# KiCad board Hak4Kidz2019.kicad_pcb
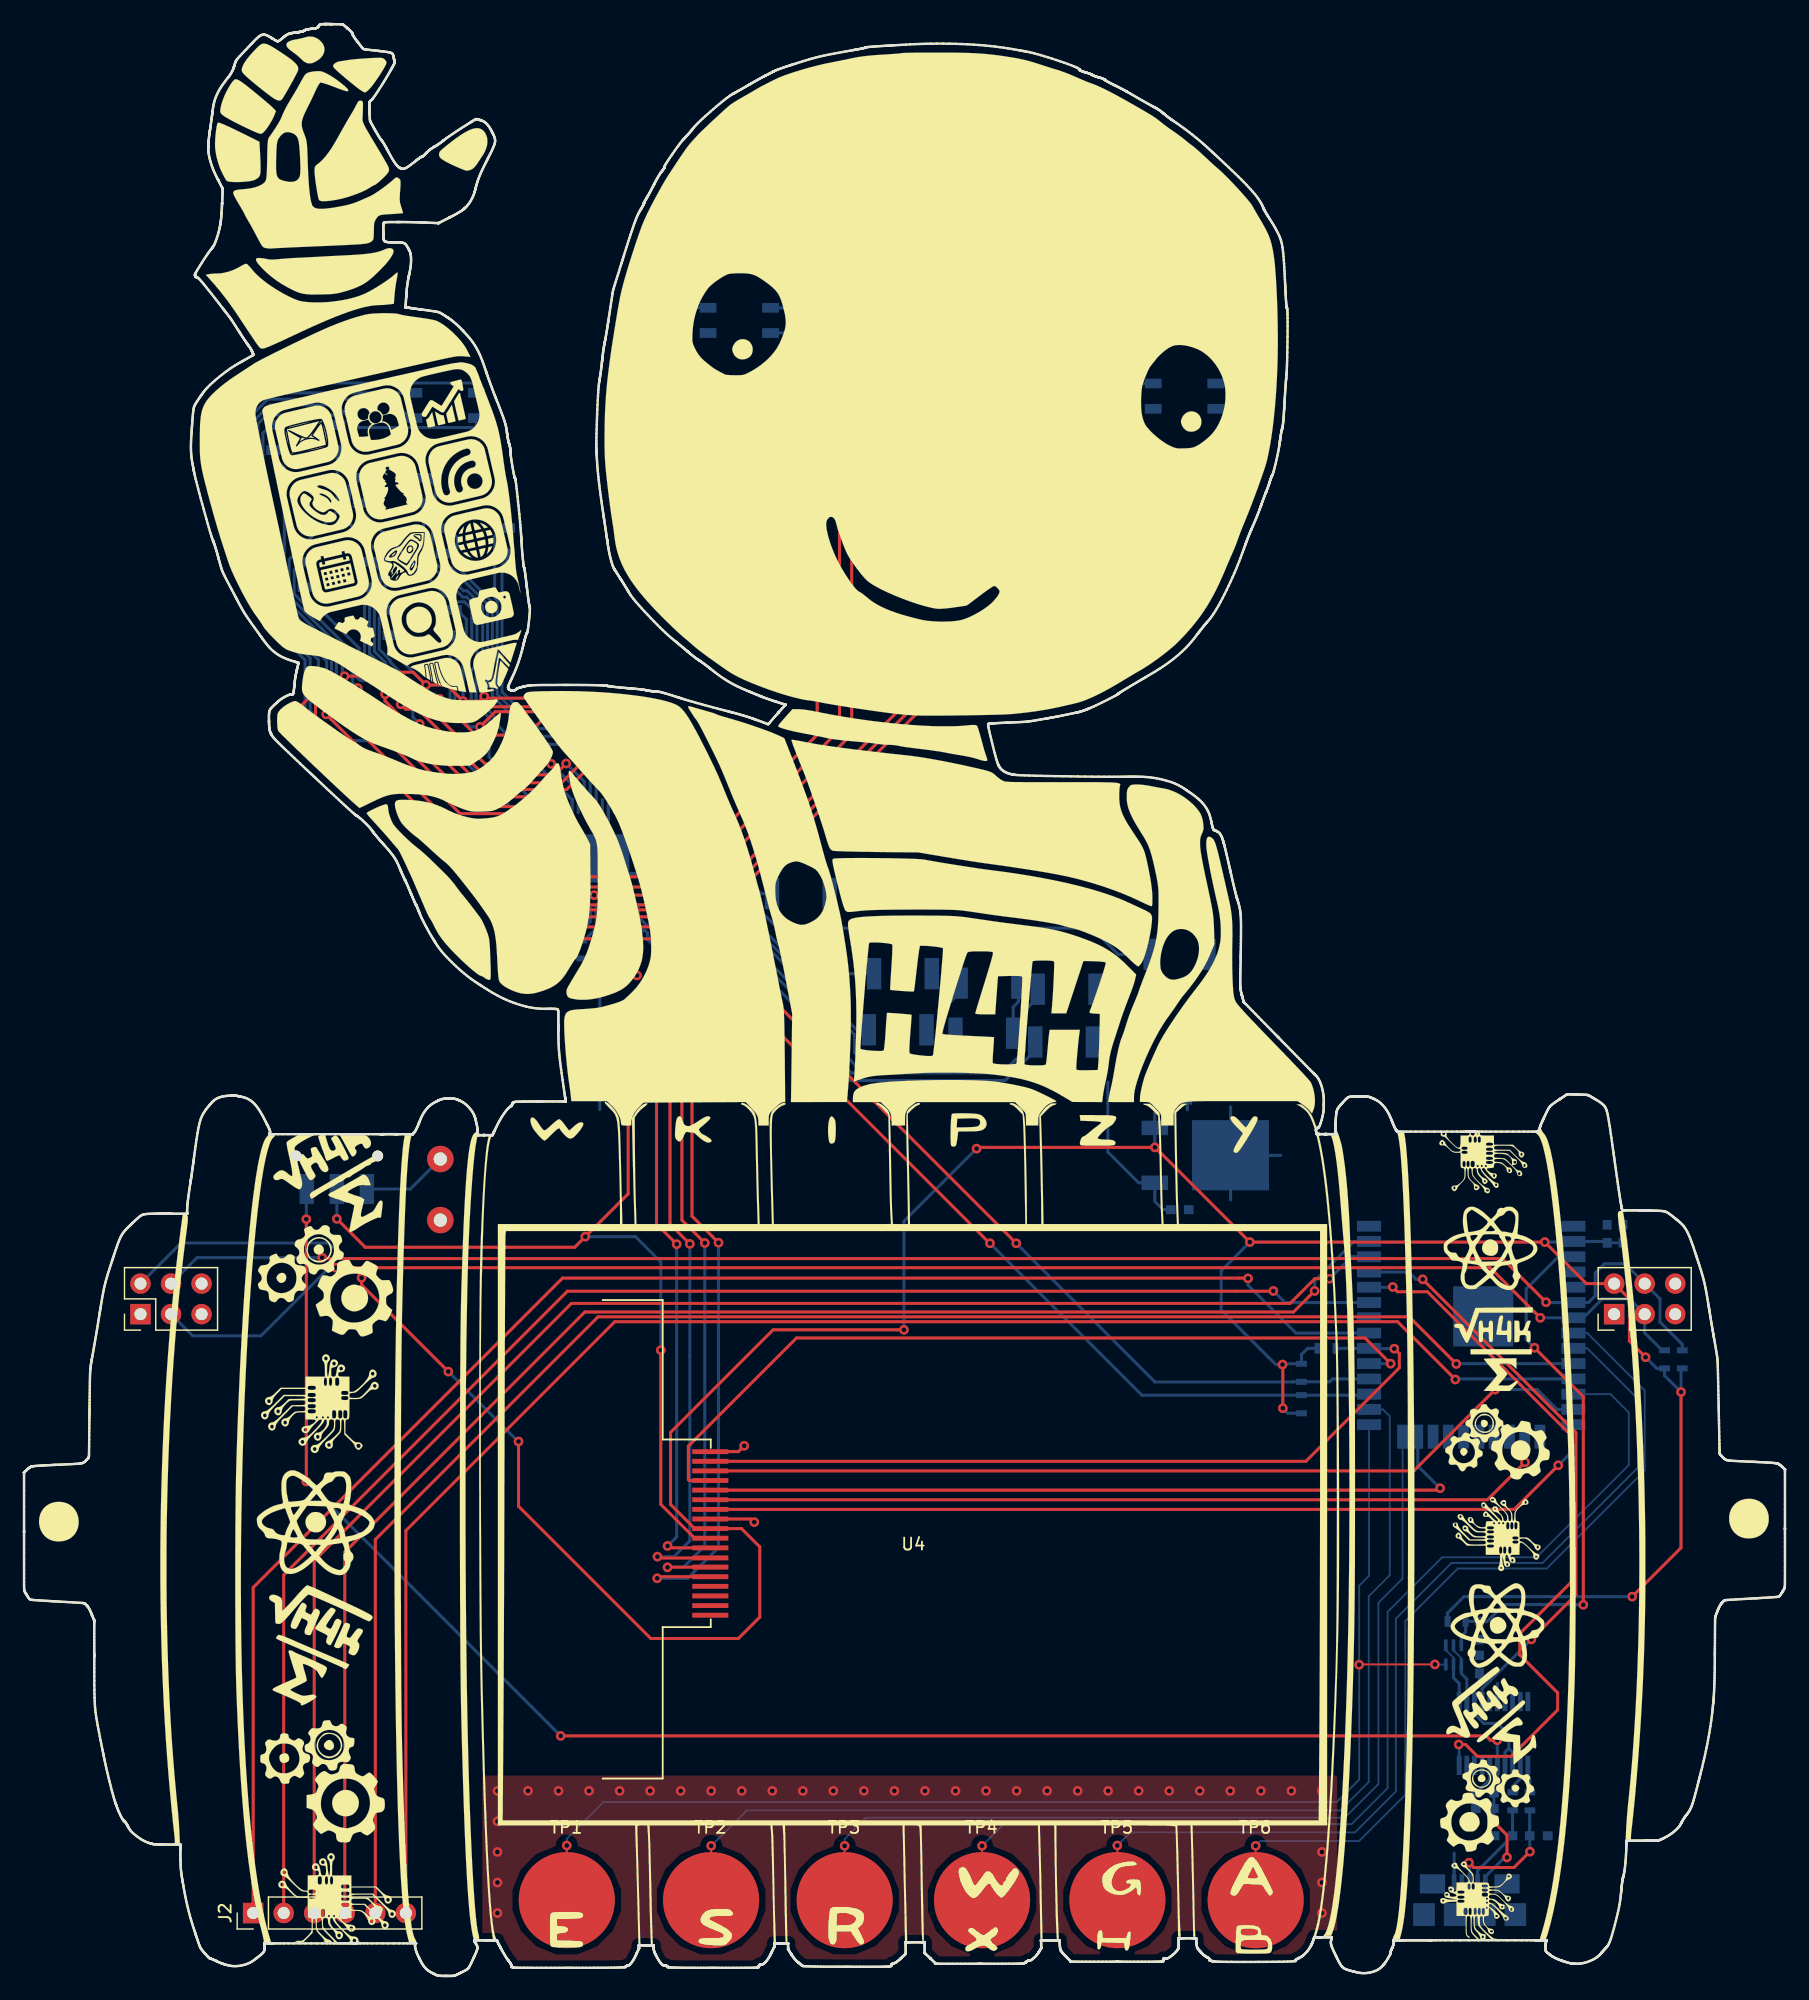
[diagram p0: board, top side]
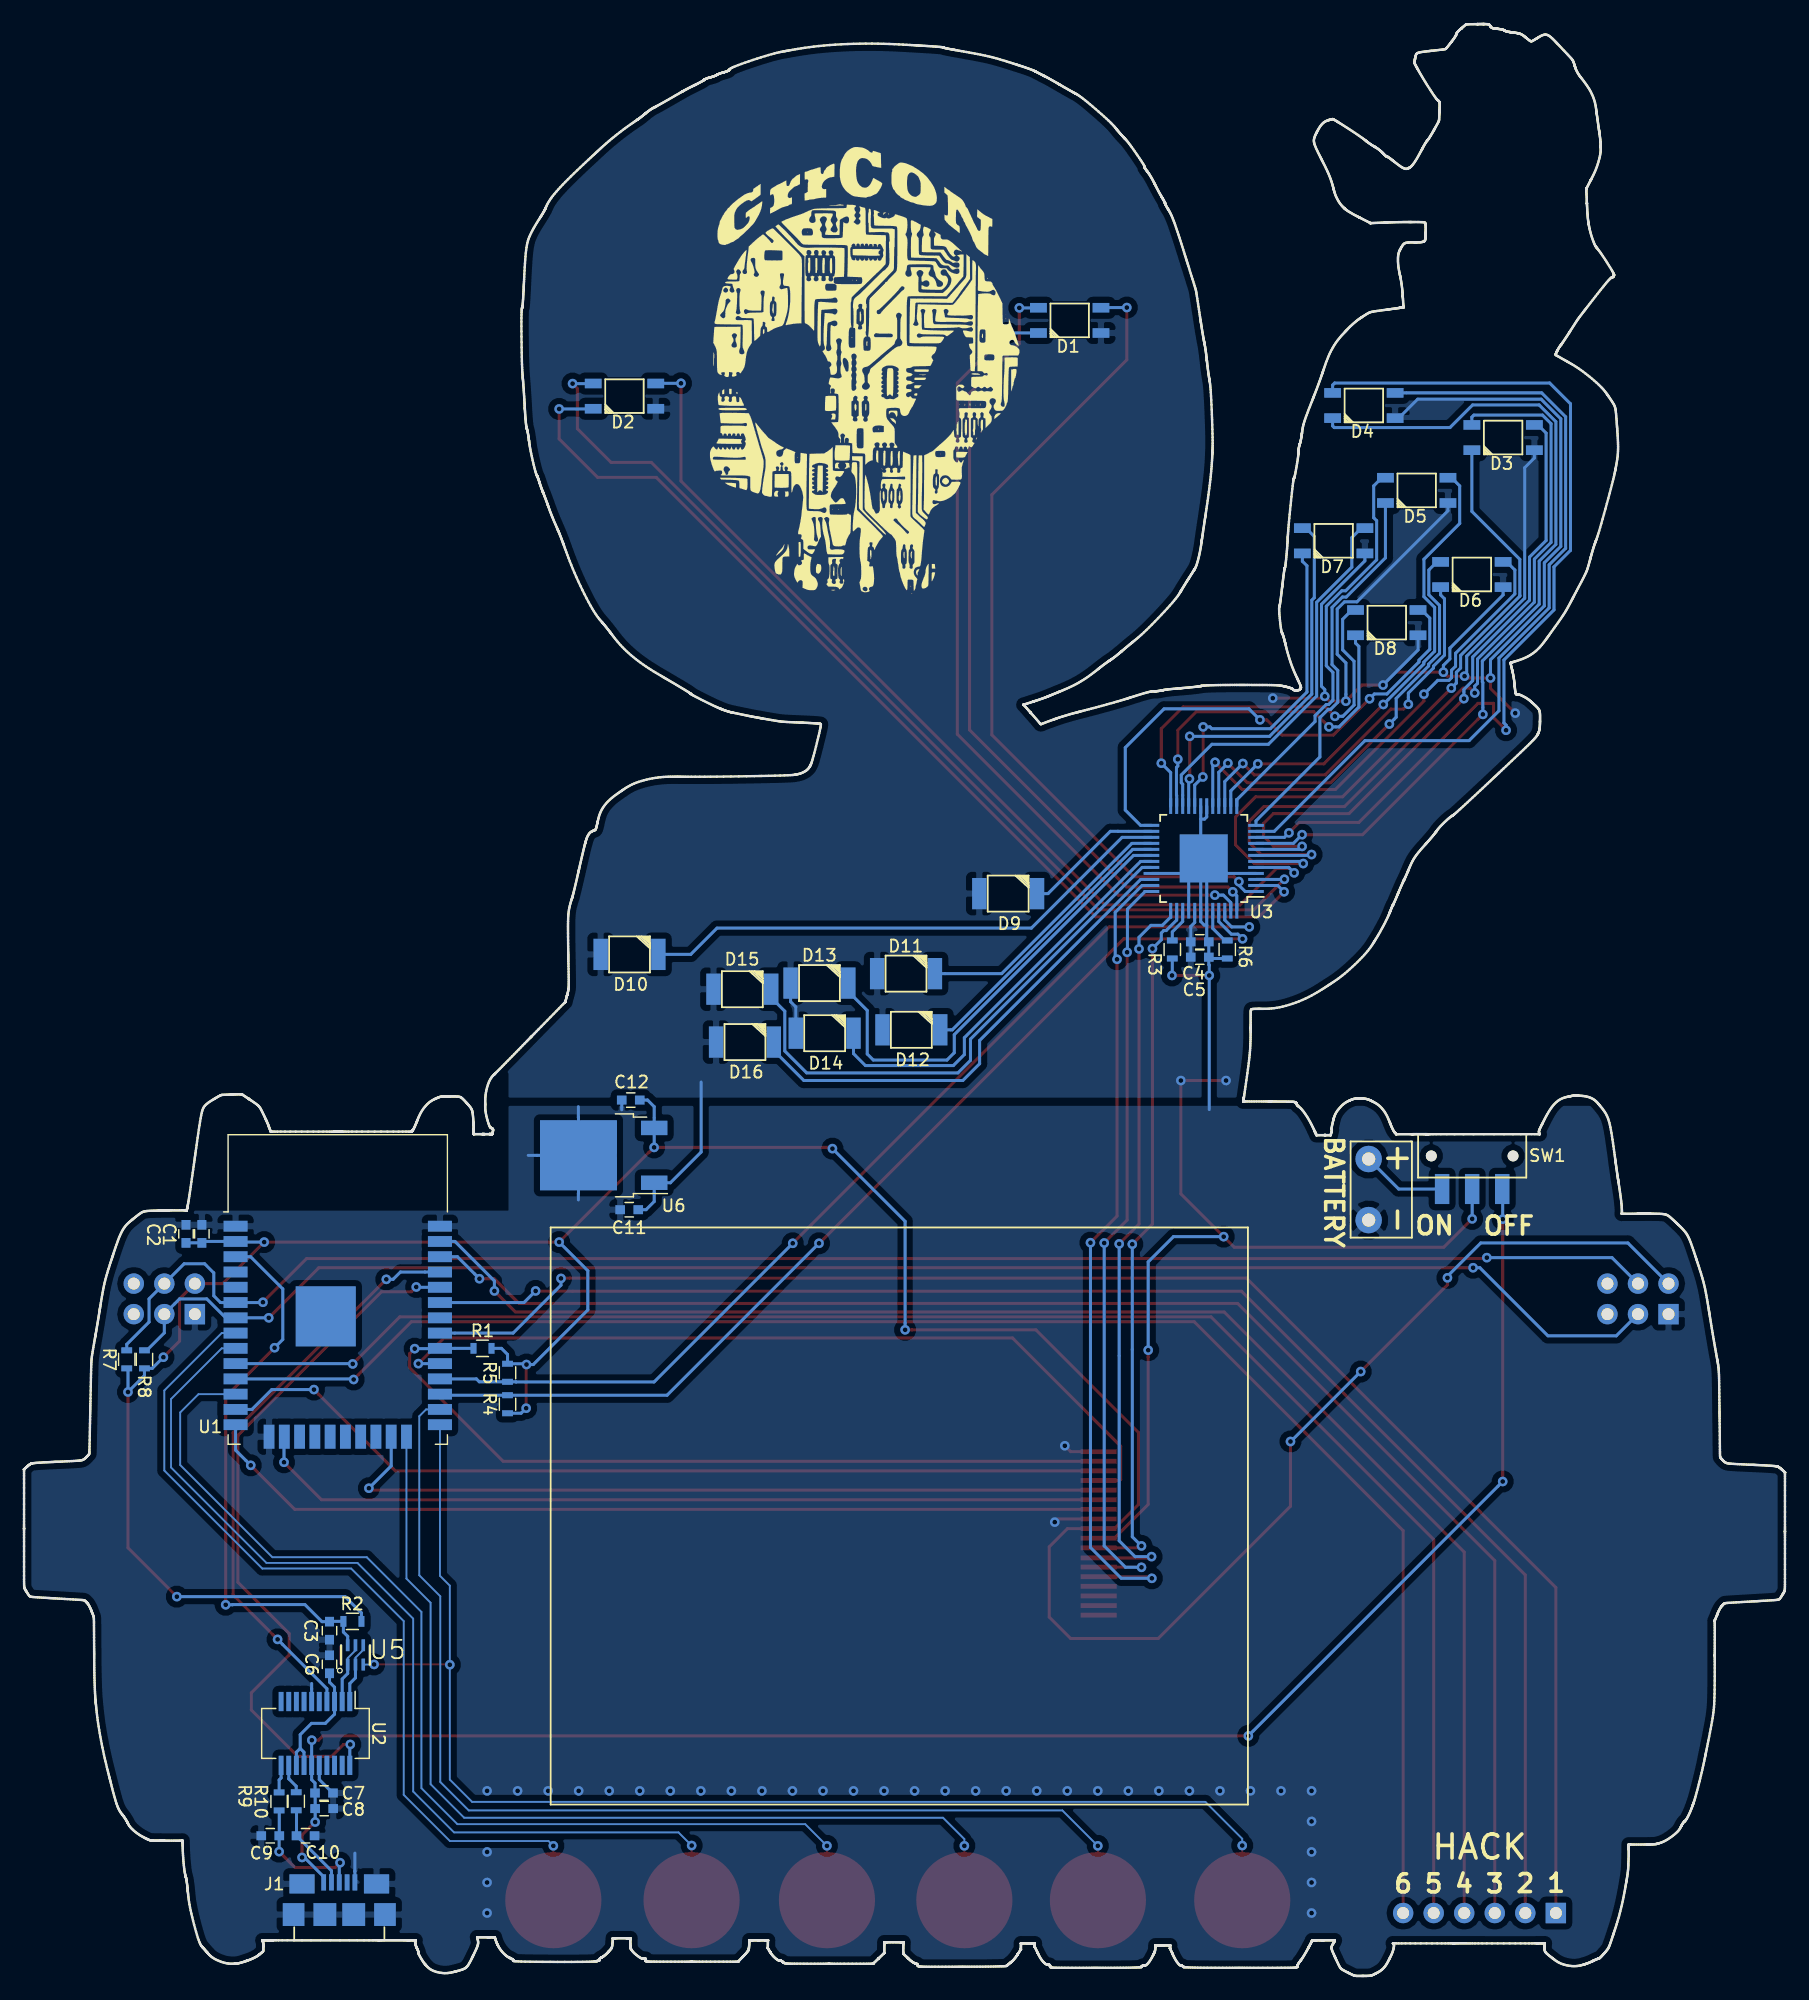
[diagram p1: board, bottom side, seen from below]

Outline 146.47 x 162.34 mm; copper layers: Top, Bottom. Coordinates in mm from the lower left corner of the outline.

## Placement (name value [footprint] x y rotation side)
BT1  Battery  [Battery-WireConn]  34.63 65.41 270 bottom
C1  0.1uF  [C_0603]  131.68 61.72 90 bottom
C2  10uF  [C_0603]  133 61.72 90 bottom
C3  0.1uF  [C_0603]  121.07 28.72 270 bottom
C4  1uF  [C_0603]  48.68 84.74 180 bottom
C5  0.1uF  [C_0603]  48.68 86.01 180 bottom
C6  0.1uF  [C_0603]  121.07 25.92 90 bottom
C7  0.1uF  [C_0603]  121.52 15.22 180 bottom
C8  4.7uF  [C_0603]  121.51 13.92 180 bottom
C9  47pF  [C_0603]  125.99 11.66 0 bottom
C10  47pF  [C_0603]  123.06 11.66 180 bottom
C11  2.2uF  [C_0603]  96.14 63.73 0 bottom
C12  2.2uF  [C_0603]  96.01 72.85 0 bottom
D1  LED_RABG  [XZMDKCBDDG45S-9]  59.5 137.69 0 bottom
D2  LED_RABG  [XZMDKCBDDG45S-9]  96.53 131.4 0 bottom
D3  LED_RABG  [XZMDKCBDDG45S-9]  23.44 127.95 0 bottom
D4  LED_RABG  [XZMDKCBDDG45S-9]  35.03 130.62 0 bottom
D5  LED_RABG  [XZMDKCBDDG45S-9]  30.63 123.56 0 bottom
D6  LED_RABG  [XZMDKCBDDG45S-9]  26.04 116.56 0 bottom
D7  LED_RABG  [XZMDKCBDDG45S-9]  37.54 119.36 0 bottom
D8  LED_RABG  [XZMDKCBDDG45S-9]  33.12 112.56 0 bottom
D9  LED_RED  [LED-SMD-BottomEntry-OSRAM-LS-T776]  64.61 90.02 180 bottom
D10  LED_RED  [LED-SMD-BottomEntry-OSRAM-LS-T776]  96.11 84.96 180 bottom
D11  LED_WHT  [LED-SMD-BottomEntry-OSRAM-LS-T776]  73.11 83.36 180 bottom
D12  LED_WHT  [LED-SMD-BottomEntry-OSRAM-LS-T776]  72.67 78.69 180 bottom
D13  LED_WHT  [LED-SMD-BottomEntry-OSRAM-LS-T776]  80.31 82.58 180 bottom
D14  LED_WHT  [LED-SMD-BottomEntry-OSRAM-LS-T776]  79.88 78.41 180 bottom
D15  LED_WHT  [LED-SMD-BottomEntry-OSRAM-LS-T776]  86.72 82.07 180 bottom
D16  LED_WHT  [LED-SMD-BottomEntry-OSRAM-LS-T776]  86.51 77.67 180 bottom
G***  LOGO  [SilkscreenFront]  73.49 83.08 0 top
G***#2  LOGO  [SoldermaskFront]  61.55 81.56 0 top
G***#3  LOGO  [SilkscreenBack]  73.64 128.22 180 bottom
J1  USB_B_Micro  [10118192-0002LF]  120.25 5.11 180 bottom
J2  Conn_01x06_Female  [Pin_Header_Straight_1x06_Pitch2.54mm]  19.06 5.23 90 top
J3  Conn_02x03_Odd_Even  [Pin_Header_Straight_2x03_Pitch2.54mm]  132.27 55.04 90 top
J4  Conn_02x03_Odd_Even  [Pin_Header_Straight_2x03_Pitch2.54mm]  9.69 55.04 90 top
R1  10k  [R_0603]  108.34 52.2 180 bottom
R2  10k  [R_0603]  119.16 29.49 0 bottom
R3  100k  [R_0603]  50.96 85.37 270 bottom
R4  4.7k  [R_0603]  106.26 47.55 90 bottom
R5  4.7k  [R_0603]  106.26 50.17 270 bottom
R6  3.3k  [R_0603]  46.39 85.37 270 bottom
R7  4.7k  [R_0603]  137.93 51.28 90 bottom
R8  4.7k  [R_0603]  136.46 51.28 90 bottom
R9  27  [R_0603]  123.83 14.53 90 bottom
R10  27  [R_0603]  125.26 14.52 270 bottom
REF**  -  [Outline]  72.45 77.95 0 top
REF**#2  Battery 3xAA Outline  [Battery_3xAA_Outline]  73.67 38.25 0 bottom
SW1  SW_SPDT  [JS102011SAQN]  26.02 68.2 0 bottom
TP1  TOUCHPAD  [Touchpad_Round_8mm]  45.14 6.3 0 top
TP2  TOUCHPAD  [Touchpad_Round_8mm]  57.15 6.3 0 top
TP3  TOUCHPAD  [Touchpad_Round_8mm]  68.26 6.3 0 top
TP4  TOUCHPAD  [Touchpad_Round_8mm]  79.69 6.3 0 top
TP5  TOUCHPAD  [Touchpad_Round_8mm]  90.95 6.3 0 top
TP6  TOUCHPAD  [Touchpad_Round_8mm]  102.45 6.3 0 top
U1  -  [ESP32-WROOM-32]  120.38 54.1 180 bottom
U2  FT231XS  [QSOP-20_3.9x8.7mm_Pitch0.635mm]  122.23 20.17 270 bottom
U3  IS31FL3236  [TQFP-48_7x7mm_Pitch0.5mm]  48.35 92.95 0 bottom
U4  ILI9341_28_18PINS  [2.8LCD_ILI9341_18Pin]  73.92 37.47 0 top
U5  UMH3NFHA  [SOT363]  118.91 26.7 180 bottom
U6  LF33_TO252  [TO-252-2]  98.26 68.25 0 bottom

## Footprints (pads in the part's own frame, mm; a bottom-side part is the same pattern mirrored in y, then rotated)
2.8LCD_ILI9341_18Pin
  rect 3x0.4 smd: 1(-16.84,6.14) 2(-16.84,5.34) 3(-16.84,4.54) 4(-16.84,3.74) 5(-16.84,2.94) 6(-16.84,2.14) 7(-16.84,1.34) 8(-16.84,0.54) 9(-16.84,-0.26) 10(-16.84,-1.06) 11(-16.84,-1.86) 12(-16.84,-2.7) 13(-16.84,-3.46) 14(-16.84,-4.26) 15(-16.84,-5.06) 16(-16.84,-5.86) 17(-16.84,-6.66) 18(-16.84,-7.46)
10118192-0002LF
  rect 0.4x1.35 smd: 1(-1.3,2.675) 2(-0.65,2.675) 3(0,2.675) 4(0.65,2.675) 5(1.3,2.675)
  rect 1.8x1.9 smd: 6(-3.8,0) 6(3.8,0)
  rect 2.1x1.6 smd: 6(-3.1,2.55) 6(3.1,2.55)
  rect 1.9x1.9 smd: 6(-1.2,0) 6(1.2,0)
Battery-WireConn
  round 2.2 hole 1.1: 1(-2.54,0) 2(2.54,0)
C_0603
  rect 0.8x0.75 smd: 1(-0.75,0) 2(0.75,0)
ESP32-WROOM-32
  rect 2x0.9 smd: 1(-8.5,8.255) 2(-8.5,6.985) 3(-8.5,5.715) 4(-8.5,4.445) 5(-8.5,3.175) 6(-8.5,1.905) 7(-8.5,0.635) 8(-8.5,-0.635) 9(-8.5,-1.905) 10(-8.5,-3.175) 11(-8.5,-4.445) 12(-8.5,-5.715) 13(-8.5,-6.985) 14(-8.5,-8.255) 25(8.5,-8.255) 26(8.5,-6.985) 27(8.5,-5.715) 28(8.5,-4.445) 29(8.5,-3.175) 30(8.5,-1.905) 31(8.5,-0.635) 32(8.5,0.635) 33(8.5,1.905) 34(8.5,3.175) 35(8.5,4.445) 36(8.5,5.715) 37(8.5,6.985) 38(8.5,8.255)
  rect 0.9x2 smd: 15(-5.715,-9.255) 16(-4.445,-9.255) 17(-3.175,-9.255) 18(-1.905,-9.255) 19(-0.635,-9.255) 20(0.635,-9.255) 21(1.905,-9.255) 22(3.175,-9.255) 23(4.445,-9.255) 24(5.715,-9.255)
  rect 5x5 smd: 39(-1,0.755)
JS102011SAQN
  round 0.9 hole 0.9 unplated: (-3.4,0) (3.4,0)
  rect 1.2x2.5 smd: 1(-2.5,2.75) 2(0,2.75) 3(2.5,2.75)
LED-SMD-BottomEntry-OSRAM-LS-T776
  round 2.8 smd: (0,0)
  rect 1.2x2.6 smd: 1(2.4,0) 2(-2.4,0)
Pin_Header_Straight_1x06_Pitch2.54mm
  rect 1.7x1.7 hole 1: 1(0,0)
  oval 1.7x1.7 hole 1: 2(0,-2.54) 3(0,-5.08) 4(0,-7.62) 5(0,-10.16) 6(0,-12.7)
Pin_Header_Straight_2x03_Pitch2.54mm
  rect 1.7x1.7 hole 1: 1(0,0)
  oval 1.7x1.7 hole 1: 2(2.54,0) 3(0,-2.54) 4(2.54,-2.54) 5(0,-5.08) 6(2.54,-5.08)
QSOP-20_3.9x8.7mm_Pitch0.635mm
  rect 1.6x0.41 smd: 1(-2.654,2.857) 2(-2.654,2.223) 3(-2.654,1.587) 4(-2.654,0.953) 5(-2.654,0.318) 6(-2.654,-0.318) 7(-2.654,-0.953) 8(-2.654,-1.587) 9(-2.654,-2.223) 10(-2.654,-2.857) 11(2.654,-2.857) 12(2.654,-2.223) 13(2.654,-1.587) 14(2.654,-0.953) 15(2.654,-0.318) 16(2.654,0.318) 17(2.654,0.953) 18(2.654,1.587) 19(2.654,2.223) 20(2.654,2.857)
R_0603
  rect 0.5x0.9 smd: 1(-0.75,0) 2(0.75,0)
SOT363
  rect 0.3x0.988 smd: 1(-0.648,-0.798) 2(0,-0.798) 3(0.648,-0.798) 4(0.648,0.808) 5(0,0.808) 6(-0.648,0.808)
TO-252-2
  rect 2.2x1.2 smd: 1(-4.2,2.28) 3(-4.2,-2.28)
  rect 3.05x2.75 smd: 2(0.425,-1.525) 2(0.425,1.525) 2(3.775,-1.525) 2(3.775,1.525)
  rect 6.4x5.8 smd: 2(2.1,0)
Touchpad_Round_8mm
  round 8 smd: 1(0,0)
TQFP-48_7x7mm_Pitch0.5mm
  rect 1.3x0.25 smd: 1(-4.35,2.75) 2(-4.35,2.25) 3(-4.35,1.75) 4(-4.35,1.25) 5(-4.35,0.75) 6(-4.35,0.25) 7(-4.35,-0.25) 8(-4.35,-0.75) 9(-4.35,-1.25) 10(-4.35,-1.75) 11(-4.35,-2.25) 12(-4.35,-2.75) 25(4.35,-2.75) 26(4.35,-2.25) 27(4.35,-1.75) 28(4.35,-1.25) 29(4.35,-0.75) 30(4.35,-0.25) 31(4.35,0.25) 32(4.35,0.75) 33(4.35,1.25) 34(4.35,1.75) 35(4.35,2.25) 36(4.35,2.75)
  rect 0.25x1.3 smd: 13(-2.75,-4.35) 14(-2.25,-4.35) 15(-1.75,-4.35) 16(-1.25,-4.35) 17(-0.75,-4.35) 18(-0.25,-4.35) 19(0.25,-4.35) 20(0.75,-4.35) 21(1.25,-4.35) 22(1.75,-4.35) 23(2.25,-4.35) 24(2.75,-4.35) 37(2.75,4.35) 38(2.25,4.35) 39(1.75,4.35) 40(1.25,4.35) 41(0.75,4.35) 42(0.25,4.35) 43(-0.25,4.35) 44(-0.75,4.35) 45(-1.25,4.35) 46(-1.75,4.35) 47(-2.25,4.35) 48(-2.75,4.35)
  rect 4x4 smd: PAD(0,0)
XZMDKCBDDG45S-9
  round 2.4 smd: (0,0)
  rect 1.4x0.8 smd: 1(2.6,1.05) 2(-2.6,1.05) 3(-2.6,-1.05) 4(2.6,-1.05)

## Nets
3V3OUT: C6.1 U2.3 U2.13 U2.14
+3V3: C1.1 C2.1 C12.1 J3.2 J4.2 R1.2 R2.1 R4.1 R5.1 R7.1 R8.1 U1.2 U4.9 U6.3
GND: BT1.2 C1.2 C2.2 C3.2 C4.2 C5.2 C6.2 C7.2 C8.2 C9.2 C10.2 C11.2 C12.2 J1.5 J1.6 J3.1 J4.1 R3.2 R6.2 U1.1 U1.15 U1.38 U2.6 U2.16 U3.4 U3.18 U3.19 U3.33 U3.40 U3.42 U3.43 U3.PAD U4.1 U4.8 U6.2
VBUS: C7.1 C8.1 J1.1 SW1.1 U2.15
VCC: C4.1 C5.1 C11.1 D1.2 D2.2 D3.2 D4.2 D5.2 D6.2 D7.2 D8.2 D9.2 D10.2 D11.2 D12.2 D13.2 D14.2 D15.2 D16.2 SW1.2 U3.41 U4.10 U6.1
CLK: U1.13 U4.3
CS: U1.23 U4.5
D+: C9.1 J1.3 R10.2
D-: C10.1 J1.2 R9.1
DTR: U2.1 U5.2 U5.4
IO0: TP1.1 U1.25 U5.3
LCD1: U3.38 U4.11
LCD2: U3.37 U4.12
LCD3: U3.36 U4.13
LCD4: U3.35 U4.14
LCD_RESET: R1.1 U1.30 U4.2
MISO: U1.14 U4.7
MOSI: U1.16 U4.6
RESET: C3.1 R2.2 U1.3 U5.6
RS: U1.29 U4.4
RTS: U2.2 U5.1 U5.5
RX: U1.34 U2.20
SCL: R5.2 U1.28 U3.46
SCL2: J3.3 J4.3 R8.2 U1.7
SDA: R4.2 U1.27 U3.45
SDA2: J3.4 J4.4 R7.2 U1.6
SDB: R3.1 U3.39
TOUCH2: TP2.1 U1.26
TOUCH3: TP3.1 U1.24
TOUCH4: TP4.1 U1.12
TOUCH5: TP5.1 U1.9
TOUCH6: TP6.1 U1.8
TX: U1.35 U2.4
Net-(BT1-Pad1): BT1.1 SW1.3
Net-(D1-Pad1): D1.1 U3.47
Net-(D1-Pad3): D1.3 U3.1
Net-(D1-Pad4): D1.4 U3.48
Net-(D2-Pad1): D2.1 U3.2
Net-(D2-Pad3): D2.3 U3.5
Net-(D2-Pad4): D2.4 U3.3
Net-(D3-Pad1): D3.1 U3.6
Net-(D3-Pad3): D3.3 U3.8
Net-(D3-Pad4): D3.4 U3.7
Net-(D4-Pad1): D4.1 U3.9
Net-(D4-Pad3): D4.3 U3.11
Net-(D4-Pad4): D4.4 U3.10
Net-(D5-Pad1): D5.1 U3.12
Net-(D5-Pad3): D5.3 U3.14
Net-(D5-Pad4): D5.4 U3.13
Net-(D6-Pad1): D6.1 U3.15
Net-(D6-Pad3): D6.3 U3.17
Net-(D6-Pad4): D6.4 U3.16
Net-(D7-Pad1): D7.1 U3.20
Net-(D7-Pad3): D7.3 U3.22
Net-(D7-Pad4): D7.4 U3.21
Net-(D8-Pad1): D8.1 U3.23
Net-(D8-Pad3): D8.3 U3.25
Net-(D8-Pad4): D8.4 U3.24
Net-(D9-Pad1): D9.1 U3.26
Net-(D10-Pad1): D10.1 U3.27
Net-(D11-Pad1): D11.1 U3.28
Net-(D12-Pad1): D12.1 U3.29
Net-(D13-Pad1): D13.1 U3.30
Net-(D14-Pad1): D14.1 U3.31
Net-(D15-Pad1): D15.1 U3.32
Net-(D16-Pad1): D16.1 U3.34
Net-(J2-Pad1): J2.1 U1.31
Net-(J2-Pad2): J2.2 U1.33
Net-(J2-Pad3): J2.3 U1.36
Net-(J2-Pad4): J2.4 U1.37
Net-(J2-Pad5): J2.5 U1.10
Net-(J2-Pad6): J2.6 U1.11
Net-(R6-Pad1): R6.1 U3.44
Net-(R9-Pad2): R9.2 U2.12
Net-(R10-Pad1): R10.1 U2.11

Pads without a net: J1 4; J3 5 6; J4 5 6; U1 4 5 17 18 19 20 21 22 32 39; U2 5 7 8 9 10 17 18 19; U4 15 16 17 18

## Via types
v1: diameter 0.8, hole 0.4, Top to Bottom, 159 vias

## Routing (per net, layer and track width the routed paths; a pad name or vN(x,y) marks a point on that pad's centre or on a via; arc(x,y) is an arc through that point)
3V3OUT: length 11.4
  Bottom w0.25: 123.5,18.92 123.5,20.07 122.56,21.01 121.41,21.01 120.65,21.77 U2.3 120.65,24.02 121.07,24.44 C6.1 ; 123.5,18.92 123.19,18.61 U2.14 ; 123.5,18.92 123.82,18.61 U2.13
+3V3: length 273.2
  Top w0.25: v1(41.13,44.45) 41.13,39.07 52.13,28.07 59.42,28.07 61.2,29.85 61.2,35.69 59.68,37.21 U4.9 55.78,37.21 53.78,39.21 53.78,45.21 62.31,53.74 v1(73.19,53.74) ; v1(104.68,50.85) 104.71,50.83 v1(104.71,47.22) ; v1(28.08,58.07) 28.08,57.48 v1(35.29,50.27) ; v1(133.77,31.55) 137.83,35.61 v1(137.83,48.57) ; v1(134.88,51.46) 133.54,52.81 133.54,56.31 J3.2 129.96,57.58 v1(126.5,61.04) v1(101.96,61.04) 94.49,68.51 94.46,68.51 v1(94.06,68.91) 79.33,68.91 v1(79.23,68.81)
  Bottom w0.25: R2.1 118.41,30.19 119.77,31.55 v1(133.77,31.55) ; v1(134.88,51.46) 135.81,50.53 R8.1 136.46,49.94 v1(137.83,48.57) 137.83,50.43 R7.1 ; R4.1 105.13,46.8 v1(104.71,47.22) ; R1.2 106.76,52.2 106.26,51.69 R5.1 104.75,50.92 v1(104.68,50.85) 104.12,50.85 99.58,55.39 99.58,58.65 v1(101.96,61.04) ; v1(41.13,44.45) 41.11,44.45 v1(35.29,50.27) ; C2.1 C1.1 131.57,61.09 U1.2 128.83,61.04 v1(126.5,61.04) ; v1(79.23,68.81) 73.19,62.76 v1(73.19,53.74) ; C12.1 94.61,72.85 94.06,72.3 U6.3 94.06,68.92 v1(94.06,68.91) ; v1(28.08,58.07) 28.08,58.19 25.31,60.96 13.06,60.96 J4.2
GND: length 76.1
  Top w0.25: v1(59.9,44.1) 59.41,43.61 U4.1 ; v1(60.74,37.75) 60.48,38.01 U4.8 ; v1(50.99,83.21) v1(47.89,83.21)
  Bottom w0.25: U3.PAD 48.35,91.52 48.1,91.27 U3.43 48.1,87.4 ; U3.PAD 47.1,91.7 U3.4 ; U3.PAD 48.6,92.7 U3.42 48.6,87.7 48.3,87.4 48.1,87.4 ; U3.PAD 49.6,91.7 ; 48.6,96.22 48.28,96.22 48.1,96.4 U3.18 ; 48.6,96.22 48.6,94.9 ; 48.6,96.22 U3.19 ; C4.2 47.81,84.62 R6.2 ; C4.2 47.93,84.11 47.89,84.07 47.89,72.06 ; C4.2 C5.2 48.1,86.18 48.1,87.4 ; U3.40 49.6,91.7 ; 49.6,91.7 U3.33 ; C12.2 96.76,72.04 ; U6.2 104.53,68.25 ; U6.2 100.36,71.4 100.36,71.41 100.36,72.29 ; U6.2 100.36,65.1 100.36,65.09 100.36,64.54 ; 122.55,23.87 122.55,24.32 ; 122.55,23.87 122.56,23.89 ; 122.55,23.87 U2.6 ; R3.2 50.96,83.24 v1(50.99,83.21) ; U2.16 121.92,16.33 120.8,15.22 C7.2 ; 118.96,10.21 118.96,8.71 118.95,8.71 J1.5
  vias: v1(39.38,15.39) v1(39.38,12.85) v1(39.38,10.31) v1(39.38,7.77) v1(39.38,5.23) v1(41.92,15.39) v1(44.46,15.39) v1(47,15.39) v1(49.54,15.39) v1(52.08,15.39) v1(54.62,15.39) v1(57.16,15.39) v1(59.7,15.39) v1(62.24,15.39) v1(64.78,15.39) v1(67.32,15.39) v1(69.86,15.39) v1(72.4,15.39) v1(74.94,15.39) v1(77.48,15.39) v1(80.02,15.39) v1(82.56,15.39) v1(85.1,15.39) v1(87.64,15.39) v1(90.18,15.39) v1(92.72,15.39) v1(95.26,15.39) v1(97.8,15.39) v1(100.34,15.39) v1(102.88,15.39) v1(105.42,15.39) v1(107.96,15.39) v1(107.96,10.31) v1(107.96,7.77) v1(107.96,5.23)
VBUS: length 145.6
  Top w0.25: v1(122.54,19.61) 121.97,19.61 121.62,19.97 v1(44.64,19.97) ; v1(123.35,9.86) 123.35,11.71 v1(122.26,12.8) ; v1(23.48,41.12) v1(23.48,62.94)
  Bottom w0.25: v1(122.26,12.8) C8.1 122.26,15.2 C7.1 122.27,16.04 122.55,16.32 U2.15 122.55,19.6 v1(122.54,19.61) ; v1(23.48,41.12) 23.88,40.72 v1(44.64,19.97) ; v1(123.35,9.86) 123.15,9.86 121.55,8.26 J1.1 ; v1(23.48,62.94) 23.48,65.41 SW1.1
VCC: length 230.4
  Top w0.25: v1(42.6,106.28) 38.43,106.28 v1(38.28,106.43) 37.88,106.03 v1(36.52,106.03) 35.18,107.37 v1(33.44,107.37) 32.37,108.43 v1(28.41,108.43) 28.08,108.1 v1(26.65,108.1) 26.5,107.95 v1(24.49,107.95) 24.49,107.09 v1(22.44,105.03) ; v1(46.49,74.47) v1(50.25,74.47) 50.25,65.05 v1(46.69,61.49) 45.8,60.61 28.38,60.61 v1(26.02,62.97) ; v1(52.97,52.05) 52.97,39.22 55.78,36.41 U4.10
  Bottom w0.25: SW1.2 v1(26.02,62.97) ; D6.2 23.44,114.86 27.87,110.43 27.87,109.54 28.41,109 v1(28.41,108.43) ; D5.2 28.03,121.86 35.6,114.28 36.64,114.28 37.25,113.68 37.25,109.93 36.52,109.21 v1(36.52,106.03) ; D7.2 34.94,117.69 38.55,114.08 38.55,107.27 38.28,106.99 v1(38.28,106.43) ; D3.2 20.84,126.25 21.65,125.44 21.65,114.59 26.48,109.77 26.48,108.28 v1(26.65,108.1) ; D4.2 32.13,129.57 30.55,131.14 20.28,131.14 18.64,129.51 18.64,118.9 20.02,117.53 20.02,113.95 24.49,109.47 v1(24.49,107.95) ; v1(52.97,52.05) 52.97,59.39 50.87,61.49 v1(46.69,61.49) ; C4.1 C5.1 49.43,87.29 49.1,87.62 U3.41 ; v1(33.44,107.37) 30.52,110.28 D8.2 ; C11.1 94.74,63.73 94.06,64.41 U6.1 92.71,65.97 90.15,68.52 90.15,74.35 ; D14.2 82.28,80.6 82.71,81.03 D13.2
CLK: length 75.3
  Top w0.25: v1(122.36,48.77) 115.6,42.01 U4.3
  Bottom w0.25: v1(122.36,48.77) 125.87,48.77 127.52,47.12 U1.13
CS: length 65.8
  Top w0.25: U4.5 117.63,40.41 v1(117.79,40.57)
  Bottom w0.25: v1(117.79,40.57) 115.93,42.42 U1.23
D+: length 10.9
  Top w0.25: v1(120.19,9.42) 120.59,9.02 123.94,9.02 v1(125.26,10.34)
  Bottom w0.25: R10.2 125.24,13.75 C9.1 125.26,11.65 v1(125.26,10.34) ; J1.3 120.25,9.36 v1(120.19,9.42)
D-: length 7.2
  Bottom w0.25: R9.1 123.81,13.76 C10.1 120.9,8.75 J1.2
DTR: length 5.1
  Bottom w0.152: U5.2 118.91,26.47 118.26,27.12 U5.4
  Bottom w0.25: U5.2 118.91,24.79 119.38,24.32 U2.1
IO0: length 110.1
  Top w0.152: v1(117.36,25.91) 111.08,25.91 v1(111.06,25.88) ; TP1.1 v1(45.14,10.85)
  Bottom w0.152: v1(45.14,10.85) 45.14,11.41 48.21,14.48 109.2,14.48 111.06,16.33 v1(111.06,25.88) 111.06,32.46 111.88,33.28 U1.25 ; U5.3 117.37,25.9
LCD1: length 58.4
  Top w0.25: v1(54.29,60.86) 52.61,62.54 v1(52.61,85.45) ; U4.11 53.68,35.61 v1(53.53,35.76)
  Bottom w0.25: v1(54.29,60.86) 54.29,36.53 v1(53.53,35.76) ; v1(52.61,85.45) 51.88,86.18 51.88,86.74 51.67,86.95 51.47,86.95 50.6,87.82 U3.38
LCD2: length 62.4
  Top w0.25: U4.12 52.8,34.77 v1(52.69,34.88) ; v1(53.73,85.42) 53.73,62.54 v1(55.38,60.89)
  Bottom w0.25: U3.37 51.1,88.07 51.79,87.38 52.74,87.38 53.73,86.39 v1(53.73,85.42) ; v1(55.38,60.89) 55.38,36.2 54.06,34.88 v1(52.69,34.88)
LCD3: length 63.8
  Top w0.25: v1(53.53,33.99) 53.55,34.01 U4.13 ; v1(54.72,85.14) 54.72,62.87 v1(56.63,60.96)
  Bottom w0.25: v1(56.63,60.96) 56.63,35.76 54.85,33.99 v1(53.53,33.99) ; v1(54.72,85.14) 54.69,85.17 54.69,88.72 53.22,90.2 U3.36
LCD4: length 68.4
  Top w0.25: v1(55.56,84.56) 55.56,63.2 v1(57.77,60.99) ; v1(52.66,33.07) 52.8,33.21 U4.14
  Bottom w0.25: U3.35 53.47,90.7 55.71,88.46 55.71,84.71 v1(55.56,84.56) ; v1(52.66,33.07) 55.2,33.07 57.77,35.64 v1(57.77,60.99)
LCD_RESET: length 67.2
  Top w0.25: v1(113.98,52.17) 114.4,51.75 114.4,50.58 106.62,42.81 U4.2
  Bottom w0.25: R1.1 U1.30 111.9,52.17 v1(113.98,52.17)
MISO: length 76
  Top w0.25: v1(127.62,42.47) 123.95,38.81 U4.7
  Bottom w0.25: v1(127.62,42.47) 128.88,43.73 U1.14
MOSI: length 71.2
  Top w0.25: U4.6 121.73,39.61 v1(124.85,42.72)
  Bottom w0.25: v1(124.85,42.72) 124.85,44.82 U1.16
RESET: length 45.8
  Top w0.25: v1(129.7,30.87) 129.7,48.19 v1(125.64,52.25)
  Bottom w0.25: U5.6 119.55,28.25 119.91,28.6 R2.2 121.04,29.49 C3.1 121.69,29.47 123.11,30.89 129.12,30.89 129.14,30.87 v1(129.7,30.87) ; U1.3 127.63,59.82 124.95,57.14 124.95,52.94 v1(125.64,52.25)
RS: length 69.5
  Top w0.25: U4.4 55.33,41.21 55.26,41.28 55.26,44.07 64.25,53.06 111.54,53.06 v1(113.67,50.93)
  Bottom w0.25: v1(113.67,50.93) U1.29
RTS: length 5.1
  Bottom w0.152: U5.1 119.55,26.43 118.91,27.08 U5.5
  Bottom w0.25: U2.2 120.01,24.7 119.55,25.16 U5.1
RX: length 59.8
  Top w0.25: v1(113.85,57.3) 114.25,56.9 116.74,56.9 128.69,44.96 128.69,32.74 124.42,28.47 124.42,26.7 127.57,23.55 127.57,22.12 123.71,18.26 120.89,18.26 119.9,19.25 v1(119.34,19.25)
  Bottom w0.25: v1(119.34,19.25) 119.38,19.22 U2.20 ; U1.34 113.83,57.28 v1(113.85,57.3)
SCL: length 86.1
  Top w0.25: v1(82.53,60.94) 56.22,87.25 v1(44.56,87.25)
  Bottom w0.25: v1(82.53,60.94) 94.06,49.4 105.54,49.4 105.56,49.42 R5.2 108.61,49.42 108.85,49.66 U1.28 ; U3.46 46.6,87.82 46.03,87.25 v1(44.56,87.25)
SCL2: length 132.4
  Top w0.25: v1(25.94,58.9) 121.95,58.9 v1(126.12,54.74)
  Bottom w0.25: v1(25.94,58.9) 25.38,58.9 19.71,53.24 14.03,53.24 J4.3 ; R8.2 136.26,52.03 134.81,53.49 J3.3 133.54,56.31 131.28,56.31 129.7,54.74 U1.7 v1(126.12,54.74)
SDA: length 86
  Top w0.25: v1(80.35,60.94) 80.32,60.94 55,86.26 v1(45.12,86.26)
  Bottom w0.25: U3.45 47.1,87.7 46.05,86.65 45.51,86.65 v1(45.12,86.26) ; v1(80.35,60.94) 92.98,48.3 R4.2 111.79,48.3 U1.27
SDA2: length 135
  Top w0.25: v1(24.8,59.74) 24.88,59.67 122.97,59.67 v1(126.6,56.03)
  Bottom w0.25: R7.2 137.93,52.53 136.08,54.39 136.08,56.31 J3.4 133.16,59.23 131.45,59.23 130.69,58.47 130.69,56.57 130.13,56.01 U1.6 126.63,56.01 v1(126.6,56.03) ; J4.4 14.39,59.74 v1(24.8,59.74)
SDB: length 2.8
  Bottom w0.25: R3.1 50.96,86.83 50.1,87.7 U3.39
TOUCH2: length 94.5
  Top w0.152: v1(57.16,10.82) 57.15,10.81 TP2.1
  Bottom w0.152: v1(57.16,10.82) 60.11,13.77 109.48,13.77 111.85,16.14 111.85,31.58 113.6,33.33 113.6,46.55 113.03,47.12 U1.26
TOUCH3: length 81.1
  Top w0.152: TP3.1 v1(68.26,10.82)
  Bottom w0.152: U1.24 114.66,33.05 112.66,31.04 112.66,15.95 109.86,13.16 70.03,13.16 68.26,11.39 v1(68.26,10.82)
TOUCH4: length 89.6
  Top w0.152: TP4.1 v1(79.69,10.82)
  Bottom w0.152: v1(79.69,10.82) 81.49,12.63 110.42,12.63 113.42,15.62 113.42,30.28 117.97,34.82 125.81,34.82 133.49,42.5 133.49,46.86 131.96,48.39 U1.12
TOUCH5: length 82.1
  Top w0.152: v1(90.94,10.85) 90.95,10.84 TP5.1
  Bottom w0.152: U1.9 130.03,52.2 134.25,47.98 134.25,42.29 126.31,34.36 118.74,34.36 114.11,29.72 114.11,15.34 110.7,11.94 92.03,11.94 v1(90.94,10.85)
TOUCH6: length 72.8
  Top w0.152: TP6.1 102.45,10.82 v1(102.45,10.82)
  Bottom w0.152: v1(102.45,10.82) 102.85,11.22 111.05,11.22 114.89,15.06 114.89,29.52 119.26,33.89 126.65,33.89 134.81,42.04 134.81,48.69 130.03,53.47 U1.8
TX: length 48.3
  Top w0.25: v1(116.34,57.94) 129.09,45.19 129.09,31.7 v1(125.38,27.99)
  Bottom w0.25: v1(125.38,27.99) 121.28,23.89 U2.4 ; v1(116.34,57.94) 115.78,57.94 115.17,58.55 U1.35
Net-(BT1-Pad1): length 7.1
  Bottom w0.25: SW1.3 32.13,65.45 BT1.1
Net-(D1-Pad1): length 66.9
  Top w0.25: v1(47.42,89.89) 55.46,89.89 68.84,103.28 68.84,132.49 v1(64.68,136.65)
  Bottom w0.25: D1.1 62.1,136.65 v1(64.68,136.65) ; U3.47 46.1,89.28 46.71,89.89 v1(47.42,89.89)
Net-(D1-Pad3): length 69.9
  Top w0.25: v1(54.75,138.76) 54.75,134.42 65.97,123.19 65.97,103.23 54.16,91.42 45.82,91.42 v1(45.42,91.02)
  Bottom w0.25: v1(54.75,138.76) 56.88,138.76 D1.3 ; U3.1 44.9,90.2 45.42,90.72 v1(45.42,91.02)
Net-(D1-Pad4): length 67.6
  Top w0.25: v1(63.69,138.74) 63.69,135.76 67.83,131.62 67.83,103.63 54.76,90.57 46.33,90.57 v1(45.93,90.17)
  Bottom w0.25: v1(45.93,90.17) 45.6,89.84 U3.48 ; D1.4 62.1,138.74 v1(63.69,138.74)
Net-(D2-Pad1): length 85.5
  Top w0.25: v1(101.96,130.33) 101.96,127.84 98.76,124.64 93.89,124.64 57.34,88.09 43.75,88.09 v1(41.66,90.17)
  Bottom w0.25: D2.1 99.15,130.33 v1(101.96,130.33) ; U3.2 42.19,90.7 v1(41.66,90.17)
Net-(D2-Pad3): length 80.6
  Top w0.25: v1(40.83,91.75) 41.2,92.12 42.29,92.12 45.33,89.08 56.57,89.08 91.83,124.33 v1(91.83,132.46)
  Bottom w0.25: D2.3 93.91,132.46 v1(91.83,132.46) ; U3.5 41.28,92.2 v1(40.83,91.75)
Net-(D2-Pad4): length 84.4
  Top w0.25: v1(41.64,91.21) 44.18,88.67 57.08,88.67 94.29,125.88 97.65,125.88 100.45,128.68 100.45,132.04 v1(100.85,132.44)
  Bottom w0.25: D2.4 99.14,132.44 v1(100.85,132.44) ; v1(41.64,91.21) 41.66,91.2 U3.3
Net-(D3-Pad1): length 58.8
  Top w0.25: v1(27.75,107.11) 36.79,98.07 44.03,98.07 45.7,96.39 45.7,94.08 44.14,92.52 v1(40.07,92.52)
  Bottom w0.25: 22.05,114.82 22.05,114.76 26.98,109.83 26.98,108.78 27.33,108.43 27.33,107.53 v1(27.75,107.11) ; 22.05,114.82 22.05,114.79 ; 22.05,114.82 22.05,117.82 26.04,121.81 D3.1 ; U3.6 40.25,92.7 v1(40.07,92.52)
Net-(D3-Pad3): length 55.7
  Top w0.25: v1(40.17,93.95) 42.52,93.95 43.37,94.79 43.37,95.86 42.55,96.67 36.26,96.67 v1(26.71,106.23)
  Bottom w0.25: v1(26.71,106.23) 26.71,107 25.98,107.73 25.98,109.7 21.25,114.43 21.25,118.01 19.87,119.39 19.87,128.32 20.54,129 D3.3 ; U3.8 40.42,93.7 v1(40.17,93.95)
Net-(D3-Pad4): length 68.2
  Top w0.25: v1(25.81,106.71) 26.21,107.11 26.79,107.11 36.64,97.26 43.34,97.26 44.56,96.04 44.56,94.26 43.57,93.27 v1(39.38,93.27)
  Bottom w0.25: D3.4 26.04,129.65 25.87,129.82 20.17,129.82 19.46,129.11 19.46,119.23 20.84,117.84 20.84,114.26 25.57,109.53 25.57,107.51 25.81,107.27 v1(25.81,106.71) ; v1(39.38,93.27) 39.45,93.2 U3.7
Net-(D4-Pad1): length 70.8
  Top w0.25: v1(40.17,94.92) 35.14,94.92 v1(25.13,104.93)
  Bottom w0.25: U3.9 40.89,94.2 v1(40.17,94.92) ; v1(25.13,104.93) 25.13,107.58 25.17,107.63 25.17,109.36 20.44,114.09 20.44,117.67 19.05,119.06 19.05,129.27 20.44,130.66 25.98,130.66 27.86,128.78 37.49,128.78 37.63,128.92 D4.1
Net-(D4-Pad3): length 66.1
  Bottom w0.25: D4.3 20.23,131.67 18.24,129.67 18.24,118.74 19.61,117.36 19.61,113.78 23.79,109.6 23.79,105.23 26.27,102.74 34.93,102.74 42.48,95.2 U3.11
Net-(D4-Pad4): length 77.8
  Top w0.25: v1(41.26,95.07) 40.39,95.94 35.44,95.94 25.54,105.84 24.24,105.84 24.24,104.65 v1(23.2,103.61)
  Bottom w0.25: U3.10 41.64,94.7 v1(41.26,95.07) ; D4.4 37.63,132.32 37.46,132.49 19.57,132.49 17.84,130.76 17.84,118.57 19.21,117.2 19.21,113.62 23.38,109.45 23.38,104.22 23.2,104.04 v1(23.2,103.61)
Net-(D5-Pad1): length 32
  Bottom w0.25: D5.1 33.23,117.94 36.49,114.69 36.81,114.69 37.67,113.82 37.67,109.06 37.2,108.59 37.2,105.93 37.79,105.35 37.99,105.35 38.68,104.65 38.68,101.38 44,96.07 U3.12
Net-(D5-Pad3): length 39.7
  Top w0.25: v1(43.85,100.81) 38.35,100.81 v1(33.41,105.75)
  Bottom w0.25: U3.14 46.1,98.57 v1(43.85,100.81) ; v1(33.41,105.75) 30.04,109.12 30.04,109.27 29.14,110.17 29.14,113.83 30.03,114.72 30.03,117.82 27.05,120.8 27.05,123.93 27.73,124.61 D5.3
Net-(D5-Pad4): length 33.6
  Bottom w0.25: U3.13 45.6,97.82 39.09,104.33 39.09,104.82 38.16,105.75 37.95,105.75 37.6,106.1 37.6,108.42 38.15,108.97 38.15,113.92 36.86,115.21 36.54,115.21 33.96,117.78 33.96,121.04 34.21,121.28 34.21,123.93 33.53,124.61 D5.4
Net-(D6-Pad1): length 31.9
  Top w0.25: v1(45.09,100.84) 44.15,99.9 38.24,99.9 32.77,105.37 31.73,105.37 v1(31.33,105.77)
  Bottom w0.25: D6.1 28.64,114.86 28.32,114.54 28.32,109.85 29.24,108.94 29.24,108.79 31.33,106.7 v1(31.33,105.77) ; v1(45.09,100.84) 46.6,99.34 U3.15
Net-(D6-Pad3): length 40.9
  Top w0.25: v1(47.41,100.94) 45.14,98.68 37.39,98.68 30.03,106.04 v1(30.03,106.61)
  Bottom w0.25: v1(47.41,100.94) 47.6,100.75 U3.17 ; D6.3 23.14,117.61 22.47,116.93 22.47,114.94 27.4,110.01 27.4,108.93 27.73,108.6 27.73,107.98 27.95,107.76 28.88,107.76 v1(30.03,106.61)
Net-(D6-Pad4): length 36.2
  Top w0.25: v1(32.91,104.12) 37.79,99.24 44.71,99.24 v1(46.34,100.86)
  Bottom w0.25: U3.16 47.1,100.11 v1(46.34,100.86) ; v1(32.91,104.12) 32.34,104.69 32.34,106.25 29.64,108.95 29.64,109.1 28.73,110.01 28.73,113.99 29.62,114.88 29.62,116.93 28.94,117.61 D6.4
Net-(D7-Pad1): length 28.5
  Top w0.25: v1(48.42,99.72) 48.4,99.75 v1(48.4,103.89)
  Bottom w0.25: U3.20 49.1,99.05 v1(48.42,99.72) ; D7.1 40.14,117.66 39.76,117.28 39.76,106.78 42.81,103.74 47.68,103.74 47.83,103.89 v1(48.4,103.89)
Net-(D7-Pad3): length 32.4
  Bottom w0.25: U3.22 50.1,99.12 50.21,99.24 50.21,99.89 47.66,102.44 42.96,102.44 38.95,106.45 38.95,114.25 36.03,117.18 36.03,119.63 35.24,120.41 D7.3
Net-(D7-Pad4): length 31.9
  Top w0.25: v1(49.54,99.57) 49.51,99.59 v1(49.51,103.1)
  Bottom w0.25: U3.21 49.6,99.5 v1(49.54,99.57) ; D7.4 39.84,120.41 39.15,119.72 39.15,114.63 39.36,114.42 39.36,106.62 42.87,103.1 v1(49.51,103.1)
Net-(D8-Pad1): length 29.4
  Top w0.25: v1(37.93,103.89) 39.19,105.15 48.96,105.15 50.5,103.61 v1(50.5,101.2)
  Bottom w0.25: v1(50.5,101.2) 50.5,100.63 50.62,100.52 50.62,98.21 50.6,98.2 U3.23 ; v1(37.93,103.89) 37.09,103.89 35.44,105.53 35.44,110.58 35.72,110.86 D8.1
Net-(D8-Pad3): length 42.4
  Top w0.25: v1(34.55,106.22) 37.58,103.2 41.84,103.2 43.11,104.47 v1(43.67,104.47)
  Bottom w0.25: U3.25 53.6,95.7 54.87,96.97 54.87,102.16 51.65,105.39 44.59,105.39 v1(43.67,104.47) ; D8.3 30.22,113.61 29.54,112.93 29.54,110.34 30.44,109.44 30.44,109.29 33.11,106.62 34.15,106.62 v1(34.55,106.22)
Net-(D8-Pad4): length 33.2
  Top w0.25: v1(37.44,104.77) 38.23,105.56 50.05,105.56 51.88,103.74 v1(51.88,100.86)
  Bottom w0.25: v1(51.88,100.86) 51.1,100.09 U3.24 ; v1(37.44,104.77) 36.78,104.77 35.84,105.7 35.84,109.34 36.79,110.29 36.79,112.84 36.02,113.61 D8.4
Net-(D9-Pad1): length 11.7
  Bottom w0.25: D9.1 61.3,90.02 56.12,95.2 55.48,95.2 55.48,95.2 U3.26
Net-(D10-Pad1): length 45
  Bottom w0.25: D10.1 91.02,84.96 88.83,87.15 62.68,87.15 55.14,94.7 U3.27
Net-(D11-Pad1): length 22.5
  Bottom w0.25: D11.1 65.15,83.36 54.32,94.2 U3.28
Net-(D12-Pad1): length 23.8
  Bottom w0.25: D12.1 69.26,78.69 54.25,93.7 U3.29
Net-(D13-Pad1): length 38.3
  Bottom w0.25: D13.1 77.91,81.88 76.34,80.3 76.34,76.68 75.83,76.18 69.71,76.18 69.1,76.79 69.1,78.28 54.18,93.2 U3.30
Net-(D14-Pad1): length 34.7
  Bottom w0.25: D14.1 77.48,76.71 76.49,75.72 69.17,75.72 68.26,76.63 68.26,78.04 53.6,92.7 U3.31
Net-(D15-Pad1): length 45
  Bottom w0.25: D15.1 84.32,81.37 83.19,80.24 83.19,76.93 81.38,75.11 68.79,75.11 67.75,76.15 67.75,77.92 53.47,92.2 U3.32
Net-(D16-Pad1): length 41.2
  Bottom w0.25: D16.1 84.11,76.97 81.61,74.47 68.39,74.47 66.99,75.87 66.99,77.81 53.6,91.2 U3.34
Net-(J2-Pad1): length 132.8
  Top w0.25: v1(101.81,58.02) 101.79,58.04 44.79,58.04 19.06,32.31 J2.1
  Bottom w0.25: v1(101.81,58.02) 101.81,57.45 105.79,53.47 U1.31
Net-(J2-Pad2): length 128.6
  Top w0.25: J2.2 21.6,33.35 45.2,56.95 103.89,56.95 v1(103.92,56.97)
  Bottom w0.25: U1.33 104.89,56.01 v1(103.92,56.97)
Net-(J2-Pad3): length 127.5
  Top w0.25: J2.3 24.14,34.55 45.53,55.93 105.31,55.93 107.36,57.99 v1(108.59,57.99)
  Bottom w0.25: v1(108.59,57.99) 110.42,59.82 U1.36
Net-(J2-Pad4): length 126.4
  Top w0.25: J2.4 26.68,35.26 46.64,55.22 105.6,55.22 v1(107.35,56.97)
  Bottom w0.25: U1.37 110.63,61.09 107.35,57.81 v1(107.35,56.97)
Net-(J2-Pad5): length 140
  Top w0.25: J2.5 29.22,36.3 47.74,54.82 115.22,54.82 v1(119.13,50.9)
  Bottom w0.25: v1(119.13,50.9) 119.16,50.93 U1.10
Net-(J2-Pad6): length 138.1
  Top w0.25: v1(119.06,49.61) 114.25,54.42 49.14,54.42 31.76,37.03 J2.6
  Bottom w0.25: U1.11 119.11,49.66 v1(119.06,49.61)
Net-(R6-Pad1): length 3.1
  Bottom w0.25: R6.1 46.59,86.12 47.6,87.13 U3.44
Net-(R9-Pad2): length 2.5
  Bottom w0.25: U2.12 124.46,16.4 124.45,16.4 123.83,15.78 R9.2
Net-(R10-Pad1): length 2.3
  Bottom w0.25: U2.11 125.09,16.46 125.26,16.3 R10.1

## Copper pours and planes (outline as drawn; the poured copper is in the pictures)
GND on Top: 38.11,-1.12 38.11,16.66 109.23,16.66 109.23,-1.12
GND on Bottom: -5.07,72.37 152.41,72.37 152.41,-1.12 -5.07,-1.12
VCC on Bottom: -5.07,73.05 152.41,73.05 152.41,164.49 -5.07,164.49

## Text on the board
B.SilkS: 1 | 2 | OFF | 3 | 4 | ON | 5 | 6 | BATTERY | HACK
